# Altium PCB proj_arhipov_control_doard.PcbDoc (part 1 of 2) (continued)
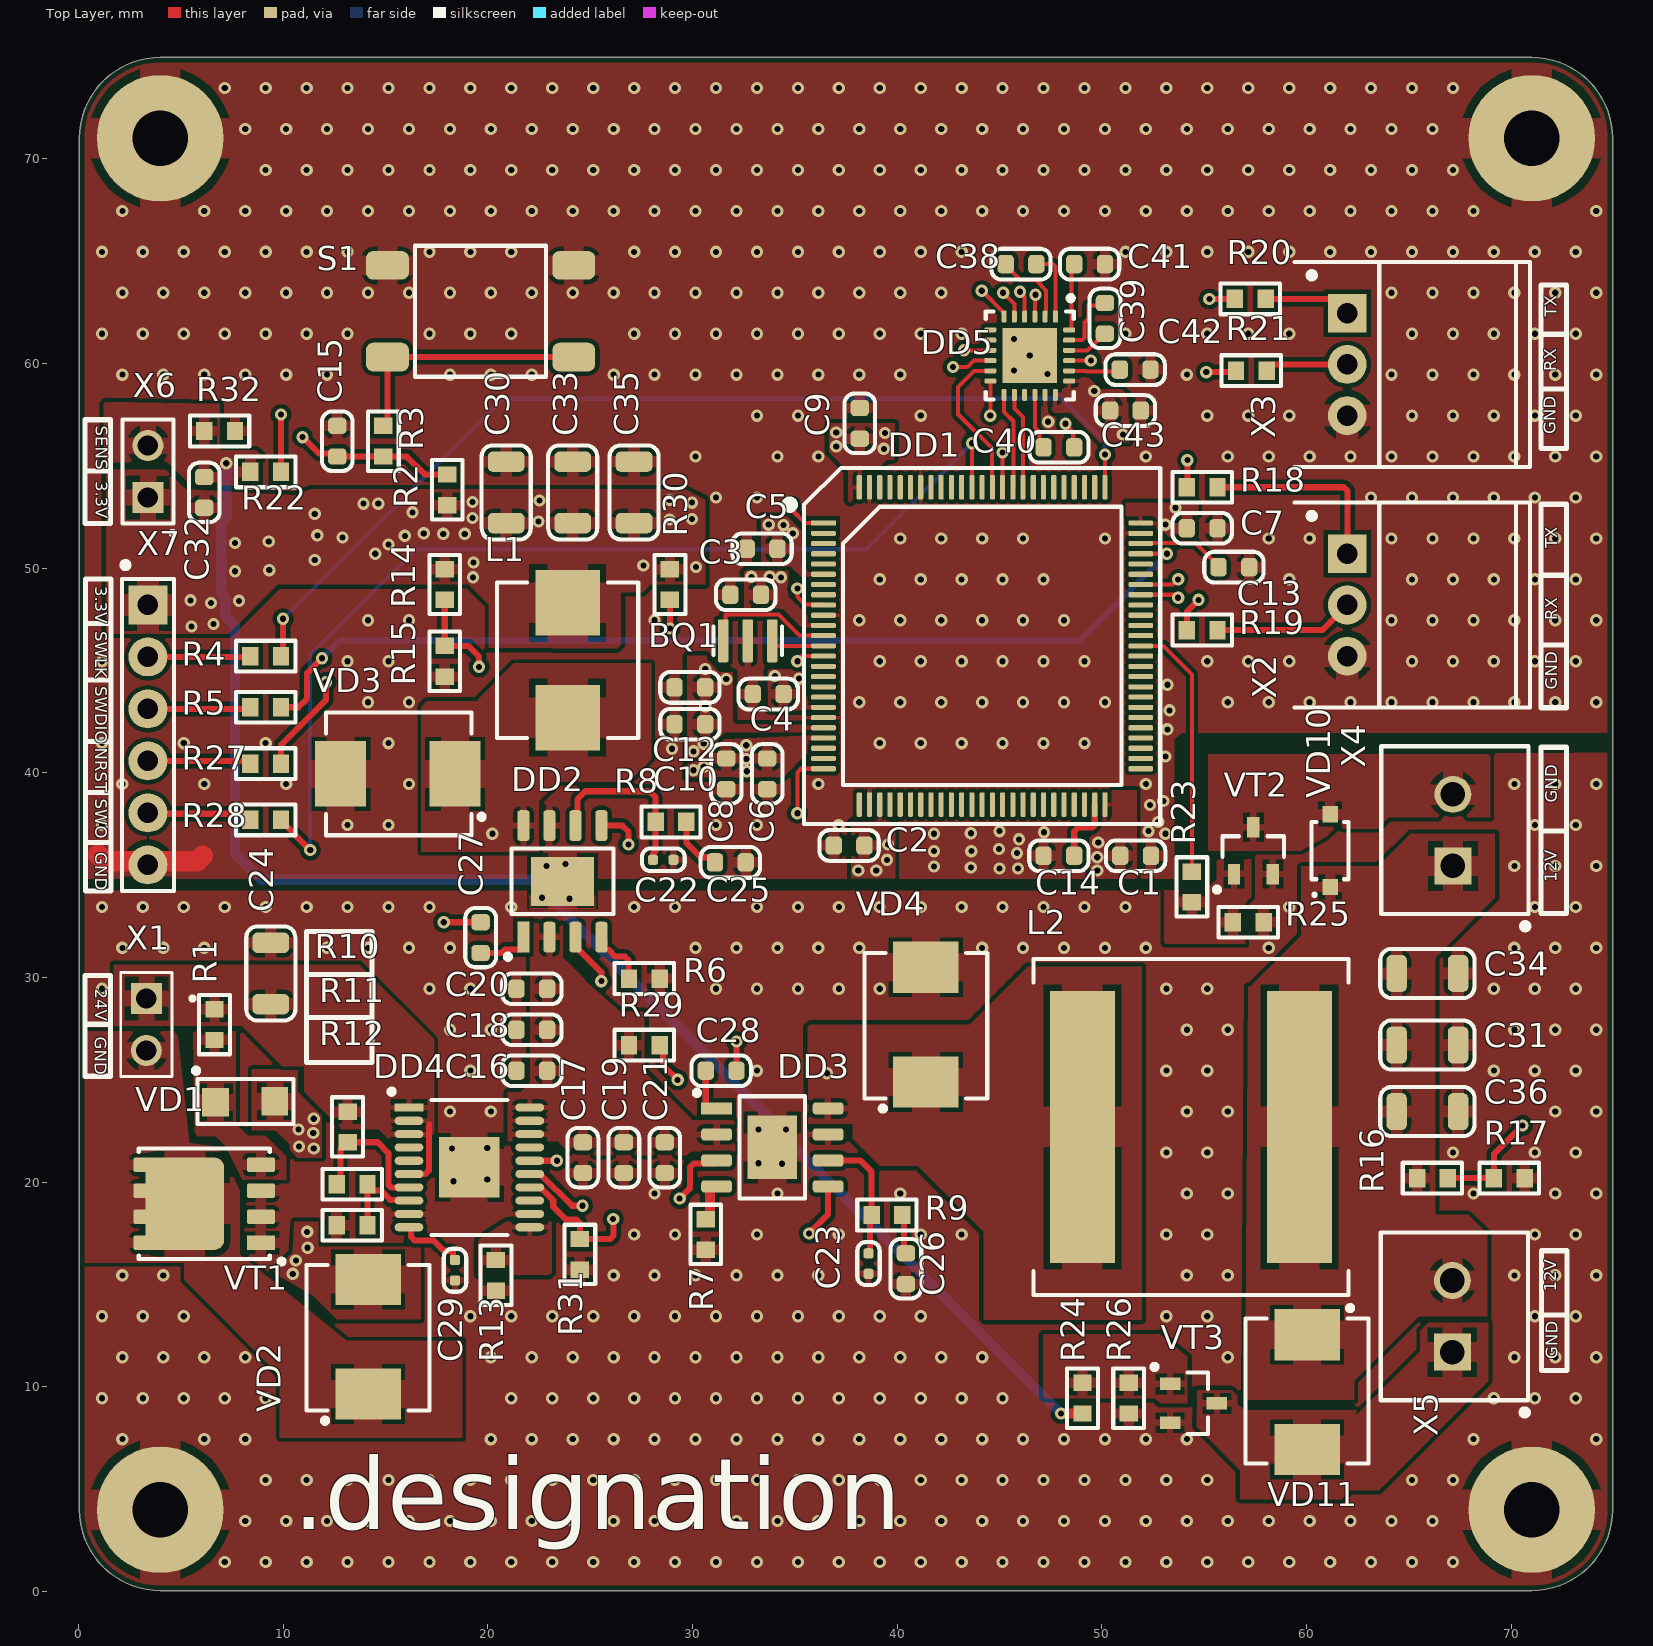
[diagram p0: Top Layer view]
## Footprints (in the part's own frame and the unit in brackets; to place one, negate y for a bottom-side part, rotate by r counter-clockwise, add the part's x,y. Pads: shape width x height; smd on the part's side, far side on the other; paste and mask are expansions set on the pad) (continued)
  silkscreen extent -3.81,-2.5 1.6,2.79, body extent -3.06,-2.47 3.06,2.48, height 1.7
HTSSOP-20 [mm] "TSOP, 20-Leads, Body 6,50x4,40mm, Pitch 0,65mm, Thermal Pad 2,96x2,96mm, IPC Medium Density"
  rect 2.96x2.96 smd: 0(0,0)
  rect 1.4x0.4 smd: 1(-2.95,2.925)
  oval 1.4x0.4 smd: 2(-2.95,2.275) 3(-2.95,1.625) 4(-2.95,0.975) 5(-2.95,0.325) 6(-2.95,-0.325) 7(-2.95,-0.975) 8(-2.95,-1.625) 9(-2.95,-2.275) 10(-2.95,-2.925) 11(2.95,-2.925) 12(2.95,-2.275) 13(2.95,-1.625) 14(2.95,-0.975) 15(2.95,-0.325) 16(2.95,0.325) 17(2.95,0.975) 18(2.95,1.625) 19(2.95,2.275) 20(2.95,2.925)
  silkscreen extent -3.92,-3.3 1.85,3.82, body extent -3.2,-3.25 3.2,3.25, height 1.1
LQFP-100-P50-1400X1400X160-L60X22 [mm] "LQFP, 100-Leads, Body 14,00x14,00mm, Pitch 0,50mm, IPC Medium Density"
  rect 1.2x0.25 smd: 1(-7.75,6)
  rrect50% 1.2x0.25 smd: 2(-7.75,5.5) 3(-7.75,5) 4(-7.75,4.5) 5(-7.75,4) 6(-7.75,3.5) 7(-7.75,3) 8(-7.75,2.5) 9(-7.75,2) 10(-7.75,1.5) 11(-7.75,1) 12(-7.75,0.5) 13(-7.75,0) 14(-7.75,-0.5) 15(-7.75,-1) 16(-7.75,-1.5) 17(-7.75,-2) 18(-7.75,-2.5) 19(-7.75,-3) 20(-7.75,-3.5) 21(-7.75,-4) 22(-7.75,-4.5) 23(-7.75,-5) 24(-7.75,-5.5) 25(-7.75,-6) 51(7.75,-6) 52(7.75,-5.5) 53(7.75,-5) 54(7.75,-4.5) 55(7.75,-4) 56(7.75,-3.5) 57(7.75,-3) 58(7.75,-2.5) 59(7.75,-2) 60(7.75,-1.5) 61(7.75,-1) 62(7.75,-0.5) 63(7.75,0) 64(7.75,0.5) 65(7.75,1) 66(7.75,1.5) 67(7.75,2) 68(7.75,2.5) 69(7.75,3) 70(7.75,3.5) 71(7.75,4) 72(7.75,4.5) 73(7.75,5) 74(7.75,5.5) 75(7.75,6)
  rrect50% 0.25x1.2 smd: 26(-6,-7.75) 27(-5.5,-7.75) 28(-5,-7.75) 29(-4.5,-7.75) 30(-4,-7.75) 31(-3.5,-7.75) 32(-3,-7.75) 33(-2.5,-7.75) 34(-2,-7.75) 35(-1.5,-7.75) 36(-1,-7.75) 37(-0.5,-7.75) 38(0,-7.75) 39(0.5,-7.75) 40(1,-7.75) 41(1.5,-7.75) 42(2,-7.75) 43(2.5,-7.75) 44(3,-7.75) 45(3.5,-7.75) 46(4,-7.75) 47(4.5,-7.75) 48(5,-7.75) 49(5.5,-7.75) 50(6,-7.75) 76(6,7.75) 77(5.5,7.75) 78(5,7.75) 79(4.5,7.75) 80(4,7.75) 81(3.5,7.75) 82(3,7.75) 83(2.5,7.75) 84(2,7.75) 85(1.5,7.75) 86(1,7.75) 87(0.5,7.75) 88(0,7.75) 89(-0.5,7.75) 90(-1,7.75) 91(-1.5,7.75) 92(-2,7.75) 93(-2.5,7.75) 94(-3,7.75) 95(-3.5,7.75) 96(-4,7.75) 97(-4.5,7.75) 98(-5,7.75) 99(-5.5,7.75) 100(-6,7.75)
  silkscreen extent -9.6,-8.7 8.7,8.7, body extent -8,-8 8,8, height 1.6
QFN-24-400X400X80 [mm] "QFN, 24-Leads, Body 4,00x4,00mm, Pitch 0,50mm, Thermal Pad 2,68x2,68mm, IPC Medium Density"
  rect 2.68x2.68 smd: 0(0,0)
  rect 0.58x0.24 smd: 1(-1.9,1.25)
  rrect50% 0.58x0.24 smd: 2(-1.9,0.75) 3(-1.9,0.25) 4(-1.9,-0.25) 5(-1.9,-0.75) 6(-1.9,-1.25) 13(1.925,-1.25) 14(1.925,-0.75) 15(1.925,-0.25) 16(1.925,0.25) 17(1.925,0.75) 18(1.925,1.25)
  rrect50% 0.24x0.58 smd: 7(-1.25,-1.925) 8(-0.75,-1.925) 9(-0.25,-1.925) 10(0.25,-1.925) 11(0.75,-1.925) 12(1.25,-1.925) 19(1.25,1.925) 20(0.75,1.925) 21(0.25,1.925) 22(-0.25,1.925) 23(-0.75,1.925) 24(-1.25,1.925)
  silkscreen extent -2.92,-2.15 2.15,2.15, body extent -2,-2 2.01,2.01, height 0.9
R0603 [mm] "Chip Resistor, 2-Leads, Body 1,60x0,80mm, IPC Medium Density"
  rect 0.8x0.9 smd: 1(-0.75,0) 2(0.75,0)
  silkscreen extent -1.45,-0.75 1.45,0.75, body extent -0.77,-0.43 0.78,0.43, height 0.43
SOD-123 [mm] "SODFL, 2-Leads, Body 1,60x3,71mm, IPC Medium Density"
  rect 0.8x0.75 smd: 1(-1.775,0) 2(1.775,0)
  silkscreen extent -2.21,-0.9 1.4,0.9, body extent -1.82,-0.77 1.83,0.78, height 1.5
SON-8-500X600X100 [mm]
  rect 0.71x1.372 smd paste-0.002: 1(-1.905,-2.77)
  rrect25% 0.71x1.372 smd paste-0.002: 2(-0.635,-2.77) 3(0.635,-2.77) 4(1.905,-2.77)
  rrect25% 4.52x3.85 smd paste-10: 5(0,0.95)
  rrect25% 0.71x1.372 smd paste-10: 5(1.905,2.77) 6(0.635,2.77) 7(-0.635,2.77) 8(-1.905,2.77)
  silkscreen extent -2.83,-3.78 2.7,3.2, body extent -2.48,-3.05 2.52,2.95, height 1.05
SOT-23-3 [mm] "SOT-23, 3-Leads, Body 2,92x2,37mm"
  rect 1x0.6 smd: 1(-1.145,0.95) 2(-1.145,-0.95) 3(1.145,0)
  silkscreen extent -2.03,-1.5 0.7,1.9, body extent -1.25,-1.5 1.25,1.5, height 1.1
SRP-2-730X660X280 [mm] "Precision Wire Wound Inductor, 2-Leads, Body 7,30x6,60mm, IPC Medium Density"
  rect 3.2x3.15 smd: 1(-2.8,0) 2(2.8,0)
  silkscreen extent -3.8,-3.45 3.8,3.45, body extent -3.7,-3.3 3.7,3.3, height 3
TE_826629-2 [mm]
  rect 1.508x1.508 hole 1: 1(-1.27,0)
  round 1.508 hole 1: 2(1.27,0)
  silkscreen extent -2.54,-1.25 2.54,2.35, body extent -2.54,-1.25 2.54,1.25, height 9.49
XAL-2-1620X1520X1100 [mm] "Precision Wire Wound Inductor, 2-Leads, Body 16,20x15,20mm, IPC Medium Density"
  rect 3.18x13.3 smd: 1(-5.3,0) 2(5.3,0)
  silkscreen extent -7.7,-8.2 7.7,8.2, body extent -7.7,-8.2 7.7,8.2, height 11

## Part data
BQ1: library part bq0001, "=Описание", HelpURL=https://www.murata.com/en-us/products/productdetail?partno=CSTCE12M0G52A-R0, ID=bq0001, Корпус="3,20 x 1,30 x 0,70", Наименование=CSTCE12M0G52A-R0, Описание="Кварцевый резонатор 12 МГц", Производитель="Murata Manufacturing Co., Ltd.", Фамилия=Самарин, Частотa="12 МГц", Частота="12 МГц"
C1 C2 C3 C4 C5 C7 C9 C15 C27 C28 C32 C38 C39 C40 C41 C42 C43: library part c0058, "=Описание", HelpURL=https://www.yageo.com/upload/media/product/productsearch/datasheet/mlcc/UPY-GPHC_X7R_6.3V-to-50V_20.pdf, ID=c0058, Корпус=0603, Наименование=CC0603KRX7R8BB104, Напряжение="25 В", Номинал="0,1 мк", Номинальное напряжение="25 В", Описание="Конденсатор керамический чип 0603 100 нФ 25 В ±10 %", Отклонение="±10 %", Производитель="YAGEO Corp.", Рабочие температуры="от –55 °С до +125 °С", Температурный коэффициент емкости=X7R, Фамилия=Паньков
C6 C10: library part c0091, "=Описание", HelpURL=https://www.yageo.com/upload/media/product/productsearch/datasheet/mlcc/UPY-GPHC_X5R_4V-to-50V_26.pdf, ID=c0091, Корпус=0603, Наименование=CC0603KPX5R9BB105, Напряжение="50 В", Номинал="1 мк", Номинальное напряжение="50 В", Описание="Конденсатор керамический чип 0603 1 мкФ 50 В ±10 %", Отклонение="±10 %", Производитель="YAGEO Corp.", Рабочие температуры="от –55 °С до +85 °С", Температурный коэффициент емкости=X5R, Фамилия=Самарин
C8 C12: library part c0036, "=Описание", HelpURL=https://www.yageo.com/upload/media/product/productsearch/datasheet/mlcc/UPY-GPHC_X7R_6.3V-to-50V_20.pdf, ID=c0036, Корпус=0603, Наименование=CC0603KRX7R9BB103, Напряжение="50 В", Номинал="0,01 мк", Номинальное напряжение="50 В", Описание="Конденсатор керамический чип 0603 10 нФ 50 В ±10 %", Отклонение="±10 %", Производитель="YAGEO Corp.", Рабочие температуры="от –55 °С до +125 °С", Температурный коэффициент емкости=X7R, Фамилия=Паньков
C13 C14: library part c0102, "=Описание", HelpURL=https://www.yageo.com/upload/media/product/productsearch/datasheet/mlcc/UPY-GPHC_X5R_4V-to-50V_26.pdf, ID=c0102, Корпус=0603, Наименование=CC0603KRX5R9BB225, Напряжение="50 В", Номинал="2,2 мк", Номинальное напряжение="50 В", Описание="Конденсатор керамический чип 0603 2,2 мкФ 50 В ±10 %", Отклонение="±10 %", Производитель="YAGEO Corp.", Рабочие температуры="от –55 °С до +85 °С", Температурный коэффициент емкости=X5R, Фамилия=Самарин
C16 C17 C18 C19 C20 C21: library part c0100, "=Описание", HelpURL=https://www.yageo.com/upload/media/product/productsearch/datasheet/mlcc/UPY-GPHC_X5R_4V-to-50V_26.pdf, ID=c0100, Корпус=0603, Наименование=CC0603KRX5R8BB225, Напряжение="25 В", Номинал="2,2 мк", Номинальное напряжение="25 В", Описание="Конденсатор керамический чип 0603 2,2 мкФ 25 В ±10 %", Отклонение="±10 %", Производитель="YAGEO Corp.", Рабочие температуры="от –55 °С до +85 °С", Температурный коэффициент емкости=X5R, Фамилия=Паньков
C22 C23: library part c0004, "=Описание", HelpURL=http://product.samsungsem.com/mlcc/CL05C101FB5NNN.do, ID=c0004, Корпус=0402, Наименование=CL05C101FB5NNNC, Напряжение="50 В", Номинал=100, Номинальное напряжение="50 В", Описание="Конденсатор керамический чип 0402 100 пФ 50 В ±1 %", Отклонение="±1 %", Производитель="Samsung Electro-Mechanics", Рабочие температуры="от –55 °С до +125 °С", Температурный коэффициент емкости=C0G, Фамилия=Ларионов
C24: library part c0093, "=Описание", HelpURL=https://www.yageo.com/upload/media/product/productsearch/datasheet/mlcc/UPY-NP0X7R_MV_100-to-630V_22.pdf, ID=c0093, Корпус=1206, Наименование=CC1206KKX7R0BB105, Напряжение="100 В", Номинал="1 мк", Номинальное напряжение="100 В", Описание="Конденсатор керамический чип 1206 1 мкФ 100 В ±10 %", Отклонение="±10 %", Производитель="YAGEO Corp.", Рабочие температуры="от –55 °С до +125 °С", Температурный коэффициент емкости=X7R, Фамилия=Ларионов
C25 C26: library part c0047, "=Описание", HelpURL=https://www.yageo.com/upload/media/product/productsearch/datasheet/mlcc/UPY-GPHC_X7R_6.3V-to-50V_20.pdf, ID=c0047, Корпус=0603, Наименование=CC0603JPX7R7BB333, Напряжение="16 В", Номинал="0,033 мк", Номинальное напряжение="16 В", Описание="Конденсатор керамический чип 0603 33 нФ 16 В ±5 %", Отклонение="±5 %", Производитель="YAGEO Corp.", Рабочие температуры="от –55 °С до +125 °С", Температурный коэффициент емкости=X7R, Фамилия=Ларионов
C29: library part c0005, "=Описание", HelpURL=http://product.samsungsem.com/mlcc/CL05B682JB5NNN.do, ID=c0005, Корпус=0402, Наименование=CL05B682JB5NNNC, Напряжение="50 В", Номинал=6800, Номинальное напряжение="50 В", Описание="Конденсатор керамический чип 0402 6,8 нФ 50 В ±5 %", Отклонение="±5 %", Производитель="Samsung Electro-Mechanics", Рабочие температуры="от –55 °С до +125 °С", Температурный коэффициент емкости=X7R, Фамилия=Жернаков
C30 C31 C33 C34 C35 C36: library part c0139, "=Описание", HelpURL=https://www.yageo.com/upload/media/product/productsearch/datasheet/mlcc/UPY-GPHC_X5R_4V-to-50V_26.pdf, ID=c0139, Корпус=1206, Наименование=CC1206KKX5R8BB226, Напряжение="25 В", Номинал="22 мк", Номинальное напряжение="25 В", Описание="Конденсатор керамический чип 1206 22 мкФ 25 В ±10 %", Отклонение="±10 %", Производитель="YAGEO Corp.", Рабочие температуры="от –55 °С до +85 °С", Температурный коэффициент емкости=X5R, Фамилия=Паньков
DD1: library part dd0001, "=Описание", HelpURL=https://www.st.com/en/microcontrollers-microprocessors/stm32f407vg.html, ID=dd0001, Корпус=LQFP-100, Максимальная тактовая частота="168 МГц", Наименование=STM32F407VGT6, Описание="ARM Cortex-M4 32-разрядный микроконтроллер 168 МГц 1 Мбайт FLASH-памяти", Поддерживаемые интерфейсы="CAN, I2C, SDIO, I2S/SPI, UART/USART, USB", Производитель=STMicroelectronics, Рабочее напряжение="от 1,8 В до 3,6 В", Рабочие температуры="от –40 °С до +85 °С", Фамилия=Паньков
DD2 DD3: library part dd0009, "=Описание", HelpURL=https://www.ti.com/product/TPS54560B, ID=dd0009, Входное напряжение="от 4,5 В до 60 В", Выходное напряжение="от 0,8 В до 58,8 В", Коммутируемый ток="до 5 А", Корпус=HSOIC-8, Наименование=TPS54560BDDA, Описание="Понижающий преобразователь напряжения 60 В и 5 А", Производитель="Texas Instruments", Рабочие температуры="от –40 °С до +150 °С", Фамилия=Архипов, Частота переключения="от 100 кГц до 2,5 МГц"
DD4: library part dd0002, "=Описание", HelpURL=https://www.ti.com/product/TPS1663, ID=dd0002, Корпус=HTSSOP-20, Максимальное напряжение="67 В", Наименование=TPS16630PWPR, Напряжение="от 4,5 В до 60 В", Описание="Защитная микросхема eFuse 60 В и 6 А", Производитель="Texas Instruments", Рабочие температуры="от -40 °С до +125 °С", Ток="от 0,6 А до 6 А", Фамилия=Жернаков
DD5: library part dd0018, "=Описание", HelpURL=https://www.ti.com/product/TRS3122E, ID=dd0018, Корпус=QFN-24, Наименование=TRS3122ERGET, Описание="Приемопередатчик RS-232", Производитель="Texas Instruments", Фамилия=Жернаков
L1: library part l0011, "=Описание", HelpURL=https://www.bourns.com/products/magnetic-products/power-inductors-aec-q200-compliant/product/SRP7028A, ID=l0011, Индуктивность="22 мкГн", Корпус="7,3 x 6,6 x 2,8", Максимальное активное сопротивление="190 мОм", Наименование=SRP7028A-220M, Номинал="22 мкГн", Номинальное активное сопротивление="165 мОм", Номинальный ток (при нагреве на 20 °С/40 °С)="2 А", Описание="Катушка индуктивности 22 мкГн ±20 %", Отклонение="±20 %", Производитель="Bourns, Inc.", Рабочее напряжение="не указано", Рабочие температуры="от –55 °С до +150 °С", Резонансная частота="10 МГц", Ток насыщения="3,5 А", Фамилия=Ларионов
L2: library part l0004, "=Описание", HelpURL=https://www.coilcraft.com/en-us/products/power/shielded-inductors/molded-inductor/xal/xal1510, ID=l0004, Индуктивность="33 мкГн", Корпус="16,2 x 15,2 x 11", Максимальное активное сопротивление="20 мОм", Наименование=XAL1510-333MEB, Номинал="33 мкГн", Номинальное активное сопротивление="18,7 мОм", Номинальный ток (при нагреве на 20 °С/40 °С)="8,6 А", Описание="Катушка индуктивности 33 мкГн ±20 %", Отклонение="±20 %", Производитель="Coilcraft, Inc.", Рабочее напряжение="от 0 В до 60 В", Рабочие температуры="от –40 °С до +125 °С", Резонансная частота="5,8 МГц", Ток насыщения="16,7 А", Фамилия=Водорезов
R1: library part r0013, "=Описание", HelpURL=https://www.yageo.com/upload/media/product/productsearch/datasheet/rchip/PYu-RC_Group_51_RoHS_L_11.pdf, ID=r0013, Корпус=0603, Наименование=RC0603FR-07180RL, Номинал=180, Номинальное напряжение="75 В", Номинальный ток="1 А", Описание="Резистор чип 0603 180 Ом ±1 % 0,1 Вт", Отклонение="±1 %", Примечание="Ряд E24", Производитель="YAGEO Corp.", Рабочие температуры="от –55 °С до +155 °С", Фамилия=Паньков
R2: library part r0084, "=Описание", HelpURL=https://www.yageo.com/upload/media/product/productsearch/datasheet/rchip/PYu-RC_Group_51_RoHS_L_11.pdf, ID=r0084, Корпус=0603, Наименование=RC0603FR-0747KL, Номинал="47 к", Номинальное напряжение="75 В", Номинальный ток="1 А", Описание="Резистор чип 0603 47 кОм ±1 % 0,1 Вт", Отклонение="±1 %", Примечание="Ряд E24", Производитель="YAGEO Corp.", Рабочие температуры="от –55 °С до +155 °С", Фамилия=Паньков
R3 R4 R5 R22 R27 R28: library part r0007, "=Описание", HelpURL=https://www.yageo.com/upload/media/product/productsearch/datasheet/rchip/PYu-RC_Group_51_RoHS_L_11.pdf, ID=r0007, Корпус=0603, Наименование=RC0603FR?-07100RL, Номинал=100, Номинальное напряжение="75 В", Номинальный ток="1 А", Описание="Резистор чип 0603 100 Ом ±1 % 0,1 Вт", Отклонение="±1 %", Примечание="Ряд E24", Производитель="YAGEO Corp.", Рабочие температуры="от –55 °С до +155 °С", Фамилия=Самарин
R6 R7: library part r0029, "=Описание", HelpURL=https://www.yageo.com/upload/media/product/productsearch/datasheet/rchip/PYu-RC_Group_51_RoHS_L_11.pdf, ID=r0029, Корпус=0603, Наименование=RC0603FR-0797K6L, Номинал="97,6 к", Номинальное напряжение="75 В", Номинальный ток="1 А", Описание="Резистор чип 0603 97,6 кОм ±1 % 0,1 Вт", Отклонение="±1 %", Производитель="YAGEO Corp.", Рабочие температуры="от -55 °С до +155 °С", Фамилия=Водорезов
R8 R9: library part r0042, "=Описание", HelpURL=https://www.yageo.com/upload/media/product/productsearch/datasheet/rchip/PYu-RC_Group_51_RoHS_L_11.pdf, ID=r0042, Корпус=0603, Наименование=RC0603FR-072K7L, Номинал="2,7 к", Номинальное напряжение="75 В", Номинальный ток="1 А", Описание="Резистор чип 0603 2,7 кОм ±1 % 0,1 Вт", Отклонение="±1 %", Примечание="Ряд E24", Производитель="YAGEO Corp.", Рабочие температуры="от –55 °С до +155 °С", Фамилия=Паньков
R10: library part r0125, "=Описание", HelpURL=https://www.yageo.com/upload/media/product/productsearch/datasheet/rchip/PYu-RC_Group_51_RoHS_L_11.pdf, ID=r0125, Корпус=0603, Наименование=RC0603FR-07750KL, Номинал="750 к", Номинальное напряжение="75 В", Номинальный ток="1 А", Описание="Резистор чип 0603 750 кОм ±1 % 0,1 Вт", Отклонение="±1 %", Примечание="Ряд E24", Производитель="YAGEO Corp.", Рабочие температуры="от –55 °С до +155 °С", Фамилия=Паньков
R11: library part r0020, "=Описание", HelpURL=https://www.yageo.com/upload/media/product/productsearch/datasheet/rchip/PYu-RC_Group_51_RoHS_L_11.pdf, ID=r0020, Корпус=0603, Наименование=RC0603FR-078K06L, Номинал="8,06 к", Номинальное напряжение="75 В", Номинальный ток="1 А", Описание="Резистор чип 0603 8,06 кОм ±1 % 0,1 Вт", Отклонение="±1 %", Производитель="YAGEO Corp.", Рабочие температуры="от -55 °С до +155 °С", Фамилия=Жернаков
R12: library part r0077, "=Описание", HelpURL=https://www.yageo.com/upload/media/product/productsearch/datasheet/rchip/PYu-RC_Group_51_RoHS_L_11.pdf, ID=r0077, Корпус=0603, Наименование=RC0603FR-0730KL, Номинал="30 к", Номинальное напряжение="75 В", Номинальный ток="1 А", Описание="Резистор чип 0603 30 кОм ±1 % 0,1 Вт", Отклонение="±1 %", Примечание="Ряд E24", Производитель="YAGEO Corp.", Рабочие температуры="от –55 °С до +155 °С", Фамилия=Паньков
R13: library part r0048, "=Описание", HelpURL=https://www.yageo.com/upload/media/product/productsearch/datasheet/rchip/PYu-RC_Group_51_RoHS_L_11.pdf, ID=r0048, Корпус=0603, Наименование=RC0603FR-074K42L, Номинал="4,42 к", Номинальное напряжение="75 В", Номинальный ток="1 А", Описание="Резистор чип 0603 4,42 кОм ±1 % 0,1 Вт", Отклонение="±1 %", Производитель="YAGEO Corp.", Рабочие температуры="от –55 °С до +155 °С", Фамилия=Жернаков
R14 R29 R31: library part r0078, "=Описание", HelpURL=https://www.yageo.com/upload/media/product/productsearch/datasheet/rchip/PYu-RC_Group_51_RoHS_L_11.pdf, ID=r0078, Корпус=0603, Наименование=RC0603FR-0733KL, Номинал="33 к", Номинальное напряжение="75 В", Номинальный ток="1 А", Описание="Резистор чип 0603 33 кОм ±1 % 0,1 Вт", Отклонение="±1 %", Примечание="Ряд E24", Производитель="YAGEO Corp.", Рабочие температуры="от –55 °С до +155 °С", Фамилия=Паньков
R15 R17: library part r0014, "=Описание", HelpURL=https://www.yageo.com/upload/media/product/productsearch/datasheet/rchip/PYu-RC_Group_51_RoHS_L_11.pdf, ID=r0014, Корпус=0603, Наименование=RC0603FR-0710K2L, Номинал="10,2 к", Номинальное напряжение="75 В", Номинальный ток="1 А", Описание="Резистор чип 0603 10,2 кОм ±1 % 0,1 Вт", Отклонение="±1 %", Производитель="YAGEO Corp.", Рабочие температуры="от -55 °С до +155 °С", Фамилия=Жернаков
R16: library part r0101, "=Описание", HelpURL=https://www.yageo.com/upload/media/product/productsearch/datasheet/rchip/PYu-RC_Group_51_RoHS_L_11.pdf, ID=r0101, Корпус=0603, Наименование=RC0603FR-07140KL, Номинал="140 к", Номинальное напряжение="75 В", Номинальный ток="1 А", Описание="Резистор чип 0603 140 кОм ±1 % 0,1 Вт", Отклонение="±1 %", Производитель="YAGEO Corp.", Рабочие температуры="от –55 °С до +155 °С", Фамилия=Шкабара
R18 R19 R20 R21: library part r0006, "=Описание", HelpURL=http://product.samsungsem.com/cr/RC0603F330CS.do, ID=r0006, Корпус=0603, Наименование=RC0603F330CS, Номинал=33, Номинальное напряжение="25 В", Номинальный ток="0,5 А", Описание="Резистор 33 Ом", Отклонение="±1 %", Производитель=Samsung, Рабочие температуры="от -55 °С до +150 °С", Фамилия=Жернаков
R23 R24: library part r0031, "=Описание", HelpURL=https://www.yageo.com/upload/media/product/productsearch/datasheet/rchip/PYu-RC_Group_51_RoHS_L_11.pdf, ID=r0031, Корпус=0603, Наименование=RC0603FR-071KL, Номинал="1 к", Номинальное напряжение="75 В", Номинальный ток="1 А", Описание="Резистор чип 0603 1 кОм ±1 % 0,1 Вт", Отклонение="±1 %", Примечание="Ряд E24", Производитель="YAGEO Corp.", Рабочие температуры="от –55 °С до +155 °С", Фамилия=Ларионов
R25 R26 R32: library part r0060, "=Описание", HelpURL=https://www.yageo.com/upload/media/product/productsearch/datasheet/rchip/PYu-RC_Group_51_RoHS_L_11.pdf, ID=r0060, Корпус=0603, Наименование=RC0603FR-0710KL, Номинал="10 к", Номинальное напряжение="75 В", Номинальный ток="1 А", Описание="Резистор чип 0603 10 кОм ±1 % 0,1 Вт", Отклонение="±1 %", Примечание="Ряд E24", Производитель="YAGEO Corp.", Рабочие температуры="от –55 °С до +155 °С", Фамилия=Самарин
R30: library part r0044, "=Описание", HelpURL=https://www.yageo.com/upload/media/product/productsearch/datasheet/rchip/PYu-RC_Group_51_RoHS_L_11.pdf, ID=r0044, Корпус=0603, Наименование=RC0603FR-073K3L, Номинал="3,3 к", Номинальное напряжение="75 В", Номинальный ток="1 А", Описание="Резистор чип 0603 3,3 кОм ±1 % 0,1 Вт", Отклонение="±1 %", Примечание="Ряд E24", Производитель="YAGEO Corp.", Рабочие температуры="от –55 °С до +155 °С", Фамилия=Паньков
S1: library part s0001, "=Описание", HelpURL=https://www.te.com/usa-en/product-4-1437565-1.html, ID=s0001, Количество контактов=4, Корпус="6,00 x 6,00 x 4,98", Наименование=FSM4JSMA, Описание="Тактовая кнопка поверхностного монтажа", Производитель="TE Connectivity", Промывка=Запрещена, Рабочие температуры="от –35 °С до +85 °С", Сопротивление контакта="100 мОм", Ток нагрузки="50 мА @ 24 В", Фамилия=Паньков
VD1: library part vd0016, "=Описание", HelpURL=https://www.vishay.com/product?docid=85161, ID=vd0016, Корпус=DO-219AB, Наименование=BZD17C15P, Номинальное напряжение стабилизации="15 В", Номинальный ток стабилизации="50 мА", Описание="Стабилитрон 15 В", Производитель="Vishay Intertechnology, Inc.", Рабочие температуры="от –55 °С до +150 °С", Разброс напряжения стабилизации="13,8...15,6 В", Фамилия=Жернаков
VD2 VD3 VD4 VD11: library part vd0005, "=Описание", HelpURL=https://www.vishay.com/product?docid=88751, ID=vd0005, Корпус=DO-214AB, Максимальное обратное напряжение="60 В", Максимальное прямое напряжение="0,75 В", Максимальный прямой ток="3 А", Наименование=SS36-E3/57T, Описание="Диод Шоттки 60 В 3 А", Производитель="Vishay Intertechnology, Inc.", Рабочие температуры="от –55 °С до +150 °С", Фамилия=Жернаков
VD10: library part vd0001, "=Описание", HelpURL=https://www.onsemi.com/products/discretes-drivers/diodes-rectifiers/schottky-diodes-schottky-rectifiers/mbr0530t1g, ID=vd0001, Корпус=SOD-123, Максимальное обратное напряжение="30 В", Максимальное прямое напряжение="0,43 В", Максимальный прямой ток="0,5 А", Наименование=MBR0530T1G, Описание="Диод Шоттки 30 В 0,5 А", Производитель="ON Semiconductor", Рабочие температуры="от –65 °С до +125 °С", Фамилия=Шкабара
VT1: library part vt0001, "=Описание", HelpURL=https://www.ti.com/product/CSD19532Q5B, ID=vt0001, Корпус=SON-8, Наименование=CSD19532Q5B, Напряжение затвор — исток="±20 В", Напряжение сток — исток="100 В", Описание="Полевой N-канальный МДП-транзистор 100 В 17 А", Производитель="Texas Instruments", Рабочие температуры="от –55 °С до +150 °С", Сопротивление сток — исток="0,0057 Ом", Ток стока="17 А", Фамилия=Жернаков
VT2 VT3: library part vt0002, "=Описание", HelpURL=https://www.infineon.com/cms/en/product/power/mosfet/12v-300v-n-channel-power-mosfet/irlml2502/, ID=vt0002, Корпус=SOT-23-3, Наименование=IRLML2502TRbBF, Напряжение затвор — исток="±12 В", Напряжение сток — исток="20 В", Описание="Полевой N-канальный МДП-транзистор 20 В 4,2 А", Производитель="Infineon Technologies AG", Рабочие температуры="от –55 °С до +150 °С", Сопротивление сток — исток="0,080 Ом", Ток стока="4,2 А", Фамилия=Паньков
X1: Package=None, Availability=Unavailable, Centerline_Pitch="2.54 mm[.1 in]", Contact_1=+24V_IN, Contact_2=GND, EU_RoHS_Compliance=Compliant, MF="TE Connectivity", MP=826629-2, Number_of_Positions=2, Price=None, Product_Type=Connector, SnapEDA_Link=https://www.snapeda.com/parts/826629-2/TE%20Connectivity%20AMP%20Connectors/view-part/494607/?ref=snap, TE_purchase_URL=https://www.te.com/usa-en/product-826629-2.html?te_bu=Cor&te_type=disp&te_campaign=seda_glo_cor-seda-global-disp-prtnr-fy19-seda-model-bom-cta_sma-317_1&elqCampaignId=32493
X2 X3: library part x0023, "=Описание", Contact_3=GND, HelpURL=http://en.connfly.group/product/xVkr=EusQssAN0gN=Aos=mU+UrVkR9kqEAN0gN0MUR+g+NB+A, ID=x0023, Наименование=DS1069-3MRW6XA, Описание="CWF 3 pin Type A 2,5 мм вилка угловой", Производитель="Connfly Electronic Co., Ltd.", Фамилия=Паньков
  X2: Contact_1=TX_1, Contact_2=RX_1
  X3: Contact_1=TX_2, Contact_2=RX_2
X4 X5: library part x0005, "=Описание", Contact_1=+12V, Contact_2=GND, HelpURL=https://www.te.com/usa-en/product-1776275-2.html, ID=x0005, Наименование=1776275-2, Описание="Terminal Block 2 pin 3,5 мм", Производитель="TE Connectivity", Фамилия=Паньков
X6: library part x0008, "=Описание", Contact_1=+3,3V, Contact_2=Signal, HelpURL=https://www.te.com/usa-en/product-826629-2.html, ID=x0008, Наименование=826629-2, Описание="PLS 2 pin 2,54 мм вилка прямой", Производитель="TE Connectivity", Фамилия=Архипов
X7: library part x0016, "=Описание", Contact_1=+3,3V, Contact_2=SWCLK, Contact_3=SWDIO, Contact_4=NRST, Contact_5=SWO, Contact_6=GND, HelpURL=http://en.connfly.group/product/xVkr=EusQssAN0gN=Aos=mU+UrVkR9kqEAN0gN9g+WqANB+A, ID=x0016, Наименование=DS1021-1x6SF11-B, Описание="PLS 6 pin 2,54 мм вилка прямой", Производитель="Connfly Electronic Co., Ltd.", Фамилия=Паньков

## Free pads (board coordinates)
  round 6.2 hole 2.7: 1(4,71) 2(4,4) 3(71,4) 4(71,71)

## Via types
v1: diameter 0.6, hole 0.3, Top Layer to Bottom Layer, tented both sides, 821 vias

## Nets (pads, with @x,y where several pads share a name; then routed paths per layer and width w, separated by ;. In a path a pad name is that pad's centre, name@x,y a point inside that pad or via, vN(x,y) a via of type N, cw(c..) or ccw(c..) an arc to the next point about the centre after c; other vN are vias at no path point)
0V_IN: VD2.1 VT1.5 VT1.6 VT1.7 VT1.8 X1.2
24V_IN: C24.1 DD4.1 DD4.2 DD4.3 DD4.6 R1.2 R10.2 X1.1 | length 3.3
  Top Layer w0.3: DD4.6@16.15,20.4 16.949,20.4 17.125,20.576 17.125,22.8 17.15,22.825
+3,3V: C1.1 C2.1 C3.1 C4.1 C5.1 C6.1 C7.1 C8.1 C9.1 C10.1 C12.1 C30.1 C32.2 C33.1 C35.1 C43.2 DD1.6 DD1.11 DD1.19 DD1.21 DD1.22 DD1.28 DD1.50 DD1.75 DD1.100 DD5.18 DD5.19 L1.2 R2.2 R14.2 R30.2 X6.1 X7.1
  other v1: 38.1,35.225 38.975,35.225 49.775,35.225 39.5,35.75 49.775,35.875 39.55,36.5 49.825,36.6 32.65,40.075 30.05,40.125 30.55,40.3 32.625,40.675 30.05,41.05 32.625,41.35 30.55,41.425 30.625,43.25 31.65,44.575 35.2,44.6 34.025,44.725 30.625,45.075 5.525,47.15 6.6,47.275 6.475,48.3 7.85,48.4 5.475,48.425 19.275,49.55 34.325,49.55 32.875,49.575 33.775,49.575 7.65,49.85 9.325,49.9 30.175,50.05 27.6,50.125 19.3,50.275 11.55,50.4 14.5,50.7 15.15,51.15 7.65,51.225 9.3,51.3 12.9,51.5 15.95,51.575 11.675,51.6 17.825,51.675 18.875,51.675 16.875,51.7 34.9,51.7 34.45,52.1 33.725,52.125 53.1,52.125 22.475,52.275 28.875,52.375 29.975,52.4 19.25,52.45 11.55,52.65 16.325,52.725 53.6,52.95 13.925,53.15 14.65,53.15 29.975,53.2 19.25,53.225 22.525,53.3 28.875,53.325 39.35,55.825 37.025,55.95 51.025,56.525 39.4,56.6 37.025,56.625 49.625,58.65
+12V: C31.1 C34.1 C36.1 L2.2 R16.2 VD10.1 VD11.1 X4.1 X5.2
+24V: C16.1 C17.1 C18.1 C19.1 C20.1 C21.1 DD2.2 DD3.2 DD4.18 DD4.19 DD4.20 R29.2
BOOT_2: C27.2 DD2.1 | length 2.7
  Top Layer w0.3: C27.2@19.65,31.2 20.675,31.2 20.85,31.375 21.595,31.375 21.745,31.525 DD2.1@21.745,31.975
BOOT_3: C28.2 DD3.1 | length 2.3
  Top Layer w0.3: C28.2@30.65,25.45 30.65,23.755 30.8,23.605 DD3.1@31.175,23.605
FB_2: DD2.5 R14.1 R15.2 | length 18.4
  Top Layer w0.3: R14.1@17.9,48.45 R15.2@17.9,46.2 19.05,46.2 19.575,45.675 v1(19.575,45.175) ; DD2.5@25.555,37.425 26.575,37.425 26.875,37.125 v1(26.875,36.5)
  Signal Layer 1 w0.3: v1(19.575,45.175) 26.875,37.875 v1(26.875,36.5)
FB_3: DD3.5 R16.1 R17.2 | length 45.1
  Top Layer w0.3: v1(35.7,17.5) 36.625,18.425 DD3.5@36.625,19.795 ; R16.1@66.9,20.2 R17.2@69.15,20.2 ; R17.2@69.15,20.2 69.15,21.375 v1(70.55,22.775)
  Signal Layer 1 w0.3: v1(35.7,17.5) 40.975,22.775 v1(70.55,22.775)